# Allegro board Notecarrier-B PCB v12.brd
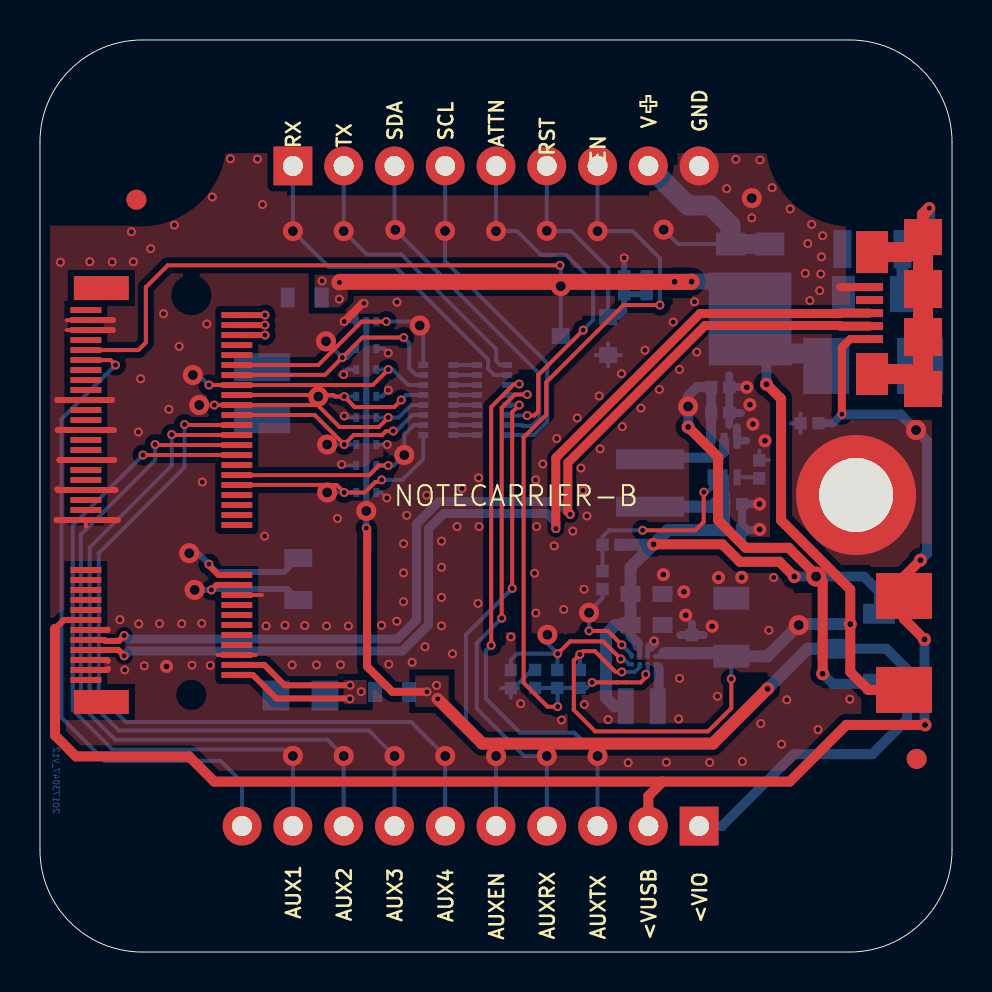
[diagram p0: board, top side]
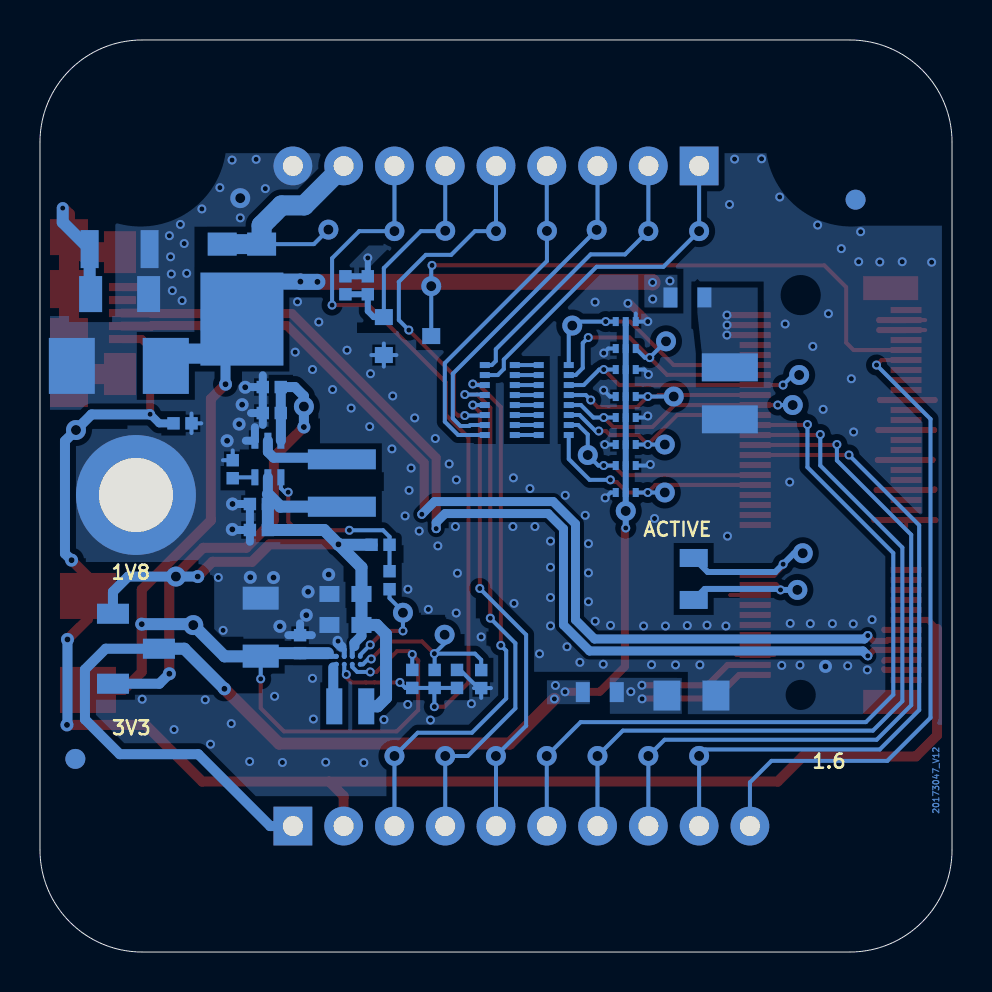
[diagram p1: board, bottom side, seen from below]

Outline 45.62 x 45.62 mm; copper layers: TOP, BOTTOM. Coordinates in mm from the lower left corner of the outline.
Outline path: 0,40.51 0,5.11 arc(1.5,1.5) 5.11,0 40.51,0 arc(44.12,1.5) 45.62,5.11 45.62,40.51 arc(44.12,44.12) 40.51,45.62 5.11,45.62 arc(1.5,44.12) 0,40.51

## Design rules (mm)
constraint set DEFAULT: pair gap 0.2
net group USB_CON_EXT_90: nets USB_DM USB_DP

## Placement (name value [footprint] x y rotation side)
C7  100n/16V  [CS-C-0402]  34.02 28.26 0 bottom
C8  10u/6.3V-X5R  [CS-C-0402]  34.02 26.96 0 bottom
C9  10u/6.3V-X5R  [CS-C-0402]  34.67 21.11 0 bottom
C10  100n/16V  [CS-C-0402]  34.67 22.41 0 bottom
C13  47u/16V-X5R  [CS-C-1206]  34.58 16.3 90 bottom
C14  4.7u/6.3V-X5R  [CS-C-0402]  32.61 15.4 90 bottom
C15  10u/10V-X5R  [CS-C-0603]  30.34 16.36 0 bottom
C16  10u/10V-X5R  [CS-C-0603]  30.34 17.91 0 bottom
C111  100n/16V  [CS-C-0402]  38.49 26.45 180 bottom
C112  10n/1kV  [CS-C-1206]  41.59 32.91 180 bottom
C113  NU  [CS-T-A]  13.03 12.83 180 bottom
C114  NU  [CS-T-B]  11.11 29.25 270 bottom
C115  100n/16V  [CS-C-0402]  29.22 33.35 90 bottom
C116  100n/16V  [CS-C-0402]  24.76 13.66 90 bottom
DS4  NU  [SOT563]  16.32 23.66 0 bottom
DS5  NU  [SOT563]  16.32 28.46 0 bottom
DS6  NU  [SOT563]  16.32 26.06 0 bottom
DS10  NU  [SOT563]  16.32 30.86 0 bottom
DS14  STPS3H100U  [SMB]  43.22 13.11 90 top
DS15  FSV1045V  [TO277-3]  35.52 32.66 0 bottom
F1  SF-0603F150-2  [FS-0603]  17.62 13 180 bottom
F2  3.5A/32V  [FS-0603]  13.24 32.74 180 bottom
FID1  TPS  [FIDUCIAL]  43.85 9.66 0 top
FID2  TPS  [FIDUCIAL]  4.82 37.63 0 top
FID3  TPS  [FIDUCIAL]  43.85 9.66 180 bottom
FID4  TPS  [FIDUCIAL]  4.82 37.63 180 bottom
J19  MICROUSB-B  [J-5-0065-FOS-MICROUSB10118192]  41.62 31.96 90 top
J20  MDT420E01001  [J-75-0050-MOS-M2-E]  7.57 22.86 90 top
J21  STRIP 9 PIN  [J-10-0254-MDT]  32.97 6.3 180 bottom
J22  STRIP 9 PIN  [J-9-0254-MDT]  12.65 39.32 0 bottom
L2  1285AS-H-2R2M=P2  [LS-0806]  30.1 12.29 180 bottom
L4  XFL4020-222MEC  [LS-XFL4020]  30.52 23.46 270 bottom
NOREF  -  []  30.4 15.06 90 top
NOREF#2  -  []  2.47 34.59 0 top
NOREF#3  -  []  11.11 26.65 90 top
NOREF#4  -  []  33.57 26.96 0 top
NOREF#5  -  []  43.22 13.11 90 top
NOREF#6  -  []  29.34 20.06 90 top
NOREF#7  -  []  34.22 22.41 0 top
NOREF#8  -  []  16.67 25.61 0 top
NOREF#9  -  []  19.17 29.36 0 top
NOREF#10  -  []  40.51 0 90 top
NOREF#11  -  []  28.13 18.15 90 top
NOREF#12  -  []  23.22 25.61 0 top
NOREF#13  -  []  38.18 27.92 90 top
NOREF#14  -  []  15.67 29.96 90 top
NOREF#15  -  []  40.59 5.03 0 top
NOREF#16  -  []  34 13.9 0 top
NOREF#17  -  []  34.58 14.8 90 top
NOREF#18  -  []  0 5.11 0 top
NOREF#19  -  []  19.32 25.61 90 top
NOREF#20  -  []  35.52 30.66 90 top
NOREF#21  -  []  1.3 1.71 0 top
NOREF#22  -  []  23.86 13.79 90 top
NOREF#23  -  []  -55.03 33.81 0 top
NOREF#24  -  []  29.54 17.91 0 top
NOREF#25  -  []  15.82 26.73 0 top
NOREF#26  -  []  40.12 31.41 90 top
NOREF#27  -  []  32.97 6.3 0 top
NOREF#28  -  []  40.32 17.12 0 top
NOREF#29  -  []  40.59 40.59 90 top
NOREF#30  -  []  -49.38 45.62 0 top
NOREF#31  -  []  30.52 22.27 90 top
NOREF#32  -  []  32.97 39.32 0 top
NOREF#33  -  []  15.67 27.56 90 top
NOREF#34  -  []  16.82 22.98 90 top
NOREF#35  -  []  14.42 17.96 90 top
NOREF#36  -  []  27.31 13.8 90 top
NOREF#37  -  []  30.64 16.76 0 top
NOREF#38  -  []  39.47 28.46 0 top
NOREF#39  -  []  12.92 17.61 90 top
NOREF#40  -  []  2.14 12.84 90 top
NOREF#41  -  []  23.37 28.86 90 top
NOREF#42  -  []  27 13.21 90 top
NOREF#43  -  []  24.76 13.21 90 top
NOREF#44  -  []  3.67 31.84 90 top
NOREF#45  -  []  2.29 13.61 0 top
NOREF#46  -  []  21.87 29.36 0 top
NOREF#47  -  []  34.16 28.57 0 top
NOREF#48  -  []  29.54 16.36 0 top
NOREF#49  -  []  35.98 23.7 90 top
NOREF#50  -  []  46.32 27.96 90 top
NOREF#51  -  []  26.05 30.81 0 top
NOREF#52  -  []  35.16 16.8 90 top
NOREF#53  -  []  15.82 31.54 0 top
NOREF#54  -  []  25.88 13.21 90 top
NOREF#55  -  []  30.43 6.3 0 top
NOREF#56  -  []  25.07 13.8 90 top
NOREF#57  -  []  7.57 12.86 90 top
NOREF#58  -  []  7.57 32.86 0 top
NOREF#59  -  []  39.33 29.32 0 top
NOREF#60  -  []  5.11 0 90 top
NOREF#61  -  []  16.82 25.39 90 top
NOREF#62  -  []  38.97 22.86 0 top
NOREF#63  -  []  28.72 20.68 0 top
NOREF#64  -  []  35.27 23.57 90 top
NOREF#65  -  []  2.14 31.39 0 top
NOREF#66  -  []  11.13 12.08 0 top
NOREF#67  -  []  33.81 34.84 0 top
NOREF#68  -  []  28.13 20.37 0 top
NOREF#69  -  []  25.6 30.41 90 top
NOREF#70  -  []  37.52 31.16 90 top
NOREF#71  -  []  33.81 34.84 90 top
NOREF#72  -  []  40.76 32.01 90 top
NOREF#73  -  []  40.59 40.59 0 top
NOREF#74  -  []  31.3 11.39 90 top
NOREF#75  -  []  10.41 28.05 0 top
NOREF#76  -  []  35.43 22.1 90 top
NOREF#77  -  []  40.82 22.86 0 top
NOREF#78  -  []  -109.91 -125.97 0 top
NOREF#79  -  []  22.02 25.61 90 top
NOREF#80  -  []  45.62 32.06 90 top
NOREF#81  -  []  2.29 13.61 90 top
NOREF#82  -  []  33.57 25.57 0 top
NOREF#83  -  []  18.82 12.5 90 top
NOREF#84  -  []  3.46 5.53 0 top
NOREF#85  -  []  0 40.51 0 top
NOREF#86  -  []  41.49 30.66 90 top
NOREF#87  -  []  15.67 22.76 90 top
NOREF#88  -  []  7.57 12.86 90 top
NOREF#89  -  []  41.37 28.46 0 top
NOREF#90  -  []  9.84 13.86 90 top
NOREF#91  -  []  25.57 13.52 0 top
NOREF#92  -  []  36.29 23.39 90 top
NOREF#93  -  []  12.04 32.24 0 top
NOREF#94  -  []  40.51 0 90 top
NOREF#95  -  []  36.92 28.46 90 top
NOREF#96  -  []  36.92 28.46 0 top
NOREF#97  -  []  42.07 14.51 0 top
NOREF#98  -  []  29.53 33.49 90 top
NOREF#99  -  []  0 40.51 0 top
NOREF#100  -  []  10.41 27.85 90 top
NOREF#101  -  []  42.72 32.76 0 top
NOREF#102  -  []  26.69 14.42 0 top
NOREF#103  -  []  23.55 13.2 90 top
NOREF#104  -  []  34.53 35.41 0 top
NOREF#105  -  []  15.67 25.16 90 top
NOREF#106  -  []  34.78 27.95 90 top
NOREF#107  -  []  29.6 14.79 0 top
NOREF#108  -  []  31.02 20.57 90 top
NOREF#109  -  []  16.67 28.01 0 top
NOREF#110  -  []  30.8 14.39 90 top
NOREF#111  -  []  30.02 20.57 0 top
NOREF#112  -  []  30.03 33.21 0 top
NOREF#113  -  []  3.07 12.51 90 top
NOREF#114  -  []  34.16 27.27 0 top
NOREF#115  -  []  34.81 21.42 0 top
NOREF#116  -  []  37.73 26.76 0 top
NOREF#117  -  []  40.51 0 90 top
NOREF#118  -  []  30.65 32.59 90 top
NOREF#119  -  []  2.14 12.84 90 top
NOREF#120  -  []  17.57 22.06 90 top
NOREF#121  -  []  29.94 39.32 0 top
NOREF#122  -  []  17.12 13.5 0 top
NOREF#123  -  []  13.52 19.36 0 top
NOREF#124  -  []  42.51 32.01 0 top
NOREF#125  -  []  28.42 29.86 90 top
NOREF#126  -  []  12.48 12.08 90 top
NOREF#127  -  []  34.47 25.4 0 top
NOREF#128  -  []  7.57 32.86 0 top
NOREF#129  -  []  38.18 30.72 0 top
NOREF#130  -  []  11.13 13.58 0 top
NOREF#131  -  []  34.78 26.65 90 top
NOREF#132  -  []  -2.43 22.31 90 top
NOREF#133  -  []  15.82 29.14 0 top
NOREF#134  -  []  9.84 18.36 90 top
NOREF#135  -  []  12.74 33.24 0 top
NOREF#136  -  []  41.97 13.42 90 top
NOREF#137  -  []  -50.93 0 0 top
NOREF#138  -  []  21.72 29.11 90 top
NOREF#139  -  []  9.84 13.86 90 top
NOREF#140  -  []  32.92 15.54 90 top
NOREF#141  -  []  16.67 30.41 0 top
NOREF#142  -  []  30.64 18.31 0 top
NOREF#143  -  []  34.81 22.72 0 top
NOREF#144  -  []  43.62 32.76 0 top
NOREF#145  -  []  29.22 32.9 90 top
NOREF#146  -  []  50.25 6.31 0 top
NOREF#147  -  []  30.34 32.9 90 top
NOREF#148  -  []  19.02 29.11 90 top
NOREF#149  -  []  39.69 36.11 0 top
NOREF#150  -  []  27.97 30.26 0 top
NOREF#151  -  []  33.57 23.75 90 top
NOREF#152  -  []  9.7 15.09 0 top
NOREF#153  -  []  24.45 14.42 0 top
NOREF#154  -  []  38.35 26.14 90 top
NOREF#155  -  []  28.9 11.39 0 top
NOREF#156  -  []  16.67 23.21 0 top
NOREF#157  -  []  29.04 17.51 90 top
NOREF#158  -  []  35.43 20.8 90 top
NOREF#159  -  []  30.5 13.19 0 top
NOREF#160  -  []  20.67 28.86 90 top
NOREF#161  -  []  32.3 16.16 0 top
NOREF#162  -  []  40.51 0 90 top
NOREF#163  -  []  -2.43 21.81 90 top
NOREF#164  -  []  -49.38 0 0 top
NOREF#165  -  []  -3.38 28.73 0 top
NOREF#166  -  []  15.82 24.34 0 top
NOREF#167  -  []  37.24 29.54 90 top
NOREF#168  -  []  20.67 28.86 90 top
NOREF#169  -  []  -55.03 11.91 0 top
NOREF#170  -  []  34.22 21.11 0 top
NOREF#171  -  []  19.32 25.61 90 top
NOREF#172  -  []  9.7 13.09 90 top
NOREF#173  -  []  16.82 30.18 90 top
NOREF#174  -  []  37.82 22.86 0 top
NOREF#175  -  []  38.04 26.45 0 top
NOREF#176  -  []  33.57 28.26 0 top
NOREF#177  -  []  16.42 12.5 0 top
NOREF#178  -  []  40.32 15.52 90 top
NOREF#179  -  []  5.03 40.59 0 top
NOREF#180  -  []  23.24 14.41 0 top
NOREF#181  -  []  2.29 28.11 90 top
NOREF#182  -  []  22.81 39.32 0 top
NOREF#183  -  []  37.24 29.54 0 top
NOREF#184  -  []  26.19 12.9 90 top
NOREF#185  -  []  36.92 28.46 0 top
NOREF#186  -  []  35.67 24.01 0 top
NOREF#187  -  []  20.52 25.61 0 top
NOREF#188  -  []  7.57 12.86 90 top
NOREF#189  -  []  42.07 11.71 90 top
NOREF#190  -  []  42.69 34.21 90 top
NOREF#191  -  []  5.03 40.59 90 top
NOREF#192  -  []  5.03 5.03 90 top
NOREF#193  -  []  32.97 6.3 90 top
NOREF#194  -  []  35.52 30.66 90 top
NOREF#195  -  []  16.82 27.79 90 top
NOREF#196  -  []  22.02 25.61 90 top
NOREF#197  -  []  3.36 40.59 0 top
NOREF#198  -  []  14.44 32.24 90 top
NOREF#199  -  []  32.61 14.95 90 top
NOREF#200  -  []  28.44 17.84 90 top
NOREF#201  -  []  40.82 22.86 90 top
NOREF#202  -  []  29.04 15.96 90 top
NOREF#203  -  []  42.47 14.22 90 top
NOREF#204  -  []  27.82 18.46 0 top
NOREF#205  -  []  40.19 32.91 0 top
NOREF#206  -  []  17.57 21.56 90 top
NOREF#207  -  []  40.14 35.16 0 top
NOREF#208  -  []  23.37 28.86 90 top
NOREF#209  -  []  28.91 34.11 0 top
NOREF#210  -  []  40.51 0 90 top
NOREF#211  -  []  44.17 35.76 90 top
NOREF#212  -  []  0 40.51 0 top
NOREF#213  -  [unnamed#2]  5.03 5.03 180 bottom
NOREF#214  -  [unnamed#2]  40.59 5.03 180 bottom
NOREF#215  -  [unnamed#2]  40.59 40.59 180 bottom
NOREF#216  -  [unnamed#2]  5.03 40.59 180 bottom
OBJ1  9774025151R  [DIST-WASMSIM0250]  40.82 22.86 0 top
Q2  AO3420  [SOT23]  28.42 31.76 0 bottom
R6  82k  [RS-0402]  35.98 24.15 270 bottom
R10  1k  [RS-0402]  27 13.66 90 bottom
R307  1M  [RS-1206]  41.64 35.16 180 bottom
R317  0R/5%/AS  [RS-0805]  12.92 18.66 90 bottom
R318  0R  [RS-0402]  28.58 20.37 0 bottom
R319  1k  [RS-0402]  30.34 33.35 270 bottom
R322  0R  [RS-0402]  23.55 13.65 90 bottom
R323  NU  [RS-0402]  25.88 13.66 270 bottom
R324  NU  [RS-0402]  28.13 18.6 270 bottom
RR1  100R/5%  [RR-8X-1506]  22.62 27.61 270 bottom
RR2  100R/5%  [RR-8X-1506]  19.92 27.61 270 bottom
SW1  CJS-1200TA  [SW-CJS1200TA]  40.82 15.17 270 bottom
TVS1  SM6T6V8A  [SMB]  39.33 29.32 0 bottom
U3  MAX17225ELT  [WDFN6-0200X0200]  34.22 24.66 270 bottom
U4  TPS62748YFPT  [XFBGA8]  30.2 14.59 270 bottom

## Library data of the parts
C7 C10 C115 C116 = CS-C-0402-100n/16V
C8 C9 = CS-C-0402-10u/6V3-X5R
C13 = CS-C-1206-47u/16V-X5R: room: DC-DC 1V8
C14 = CS-C-0402-4.7u/6V3-X5R: room: DC-DC 1V8
C15 C16 = CS-C-0603-10u/10V-X5R
C111 = CS-C-0402-100n/16V: room: USB BOOT
C112 = CS-C-1206-10n/1kV: room: USB BOOT
C113 = CS-T-A-100u/6.3V
C114 = CS-T-B-220u/6.3V
DS4-DS6 DS10 = DIODO4x - BAV99BRVA-7 -0.2A/75V: room: CONNETTORE HAT
DS14 = SCHOTTKY-STPS3H100U - 3A/100V
DS15 = SCHOTTKY - FSV1045V - 10A/45V
F1 = RAPIDO - SF-0603F150-2-1.5A/32V
F2 = RAPIDO - 0603SFV350F- 3.5A/32V
FID1-FID4 = FIDUCIAL
J19 = USB - MICROUSB-B-FCI10118192
J20 = AMPHENOL-75 - M-2 KEY E_13
J21 = STRIP-J-10-0254-MDT
J22 = STRIP-J-9-0254-MDT
L2 = L - 1285AS-H-2R2M=P2-2.2u/1.5A: room: DC-DC 1V8
L4 = PW-XFL4020-222ME - 2.2u/3.1A
OBJ1 = DISTANZIALE - M2.5x0250
Q2 = NMOS - AO3420 - 6A/20V
R6 = RS-0402-82k
R10 R319 = RS-0402-1k
R307 = RS-1206-1M: room: USB BOOT
R317 = RS-0805-0r/5%/AS
R318 R322 = RS-0402-0r
R323 R324 = RS-0402
RR1 RR2 = RR-8X-1506-100r/5%
SW1 = SW-SPDT - CJS-1200TA
TVS1 = TVS-UNI - SM6T6V8A - 6.8V/600W
U3 = BOOST -  MAX17225ELT - 0.5A/ADJ
U4 = BUCK - TPS62748YFPT - 0.3A/ADJ: room: DC-DC 1V8

## Footprints (pads in the part's own frame, mm; a bottom-side part is the same pattern mirrored in y, then rotated)
CS-C-0402
  rect 0.62x0.62 smd: 1(-0.45,0) 2(0.45,0)
CS-C-0603
  rect 1x0.8 smd: 1(-0.8,0) 2(0.8,0)
CS-C-1206
  rect 1.15x1.8 smd: 1(-1.5,0) 2(1.4,0)
CS-T-A
  rect 1.35x1.5 smd: 1(-1.225,0) 2(1.225,0)
CS-T-B
  rect 1.4x2.8 smd: 1(0,0) 2(2.6,0)
DIST-WASMSIM0250
  round 6 hole 3.7: 1(0,0)
FIDUCIAL
  round 1 smd: 1(0,0)
FS-0603
  rect 0.7x1 smd: 1(-0.85,0) 2(0.85,0)
J-5-0065-FOS-MICROUSB10118192
  rect 0.4x1.35 smd: 1(-1.3,0.125) 2(-0.65,0.125) 3(0,0.125) 4(0.65,0.125) 5(1.3,0.125)
  rect 2.1x1.6 smd: 6(-3.05,0) 7(3.05,0)
  rect 1.9x1.9 smd: 8(-1.2,-2.55) 9(1.2,-2.55)
  rect 1.8x1.9 smd: 10(-3.8,-2.55) 11(3.8,-2.55)
J-9-0254-MDT
  rect 1.94x1.94 hole 1: 1(0,0)
  round 1.94 hole 1: 2(2.54,0) 3(5.08,0) 4(7.62,0) 5(10.16,0) 6(12.7,0) 7(15.24,0) 8(17.78,0) 9(20.32,0)
J-10-0254-MDT
  rect 1.94x1.94 hole 1: 1(0,0)
  round 1.94 hole 1: 2(2.54,0) 3(5.08,0) 4(7.62,0) 5(10.16,0) 6(12.7,0) 7(15.24,0) 8(17.78,0) 9(20.32,0) 10(22.86,0)
J-75-0050-MOS-M2-E
  rect 1.2x2.75 smd: (-10.35,4.5) (10.35,4.5)
  round 0 hole 1.1 unplated: (-10,0)
  round 0 hole 1.6 unplated: (10,0)
  rect 0.3x1.55 smd: 1(-9.25,5.275) 2(-9,-2.275) 3(-8.75,5.275) 4(-8.5,-2.275) 5(-8.25,5.275) 6(-8,-2.275) 7(-7.75,5.275) 8(-7.5,-2.275) 9(-7.25,5.275) 10(-7,-2.275) 11(-6.75,5.275) 12(-6.5,-2.275) 13(-6.25,5.275) 14(-6,-2.275) 15(-5.75,5.275) 16(-5.5,-2.275) 17(-5.25,5.275) 18(-5,-2.275) 19(-4.75,5.275) 20(-4.5,-2.275) 21(-4.25,5.275) 22(-4,-2.275) 23(-3.75,5.275) 32(-1.5,-2.275) 33(-1.25,5.275) 34(-1,-2.275) 35(-0.75,5.275) 36(-0.5,-2.275) 37(-0.25,5.275) 38(0,-2.275) 39(0.25,5.275) 40(0.5,-2.275) 41(0.75,5.275) 42(1,-2.275) 43(1.25,5.275) 44(1.5,-2.275) 45(1.75,5.275) 46(2,-2.275) 47(2.25,5.275) 48(2.5,-2.275) 49(2.75,5.275) 50(3,-2.275) 51(3.25,5.275) 52(3.5,-2.275) 53(3.75,5.275) 54(4,-2.275) 55(4.25,5.275) 56(4.5,-2.275) 57(4.75,5.275) 58(5,-2.275) 59(5.25,5.275) 60(5.5,-2.275) 61(5.75,5.275) 62(6,-2.275) 63(6.25,5.275) 64(6.5,-2.275) 65(6.75,5.275) 66(7,-2.275) 67(7.25,5.275) 68(7.5,-2.275) 69(7.75,5.275) 70(8,-2.275) 71(8.25,5.275) 72(8.5,-2.275) 73(8.75,5.275) 74(9,-2.275) 75(9.25,5.275)
LS-0806
  rect 0.8x1.8 smd: 1(-0.8,0) 2(0.8,0)
LS-XFL4020
  rect 1x3.4 smd: 1(-1.185,0) 2(1.185,0)
RR-8X-1506
  rect 0.3x0.5 smd: 1(-1.75,-0.75) 2(-1.25,-0.75) 3(-0.75,-0.75) 4(-0.25,-0.75) 5(0.25,-0.75) 6(0.75,-0.75) 7(1.25,-0.75) 8(1.75,-0.75) 9(1.75,0.75) 10(1.25,0.75) 11(0.75,0.75) 12(0.25,0.75) 13(-0.25,0.75) 14(-0.75,0.75) 15(-1.25,0.75) 16(-1.75,0.75)
RS-0402
  rect 0.62x0.62 smd: 1(-0.45,0) 2(0.45,0)
RS-0805
  rect 0.9x1.4 smd: 1(-1.05,0) 2(1.05,0)
RS-1206
  rect 0.9x1.9 smd: 1(-1.5,0) 2(1.5,0)
SMB
  rect 2.3x2.8 smd: 1(0,0) 2(4.7,0)
SOT23
  rect 0.9x0.8 smd: 1(0,0) 2(0,1.9) 3(-2.37,0.95)
SOT563
  rect 0.3x0.45 smd: 1(-0.5,-0.675) 2(0,-0.675) 3(0.5,-0.675) 4(0.5,0.675) 5(0,0.675) 6(-0.5,0.675)
SW-CJS1200TA
  rect 1x1.6 smd: 1(-1.75,-1.15) 2(0,1.15) 3(1.75,-1.15)
TO277-3
  rect 1.45x1.15 smd: 1(0.985,-2.75) 2(-0.985,-2.75)
  rect 4.15x4.65 smd: 3(0,1)
unnamed#2
  round 0 hole 3.3 unplated: (0,0)
WDFN6-0200X0200
  rect 0.8x0.35 smd: 1(-0.915,0.65) 2(-0.915,0) 3(-0.915,-0.65) 4(0.915,-0.65) 5(0.915,0) 6(0.915,0.65)
XFBGA8
  round 0.25 smd: A1(0.2,-0.6) A2(-0.2,-0.6) B1(0.2,-0.2) B2(-0.2,-0.2) C1(0.2,0.2) C2(-0.2,0.2) D1(0.2,0.6) D2(-0.2,0.6)

## Nets
+1V8: C9.1 C10.1 C15.1 C16.1 L2.2 L4.2 R318.2 SW1.1 U3.5 U4.C2
+3V3: C7.1 C8.1 SW1.3 U3.1
GND: C7.2 C8.2 C9.2 C10.2 C13.2 C14.2 C15.2 C16.2 C111.2 C112.2 C113.2 C114.2 C115.2 C116.2 DS4.1 DS4.4 DS5.1 DS5.4 DS6.1 DS6.4 DS10.1 DS10.4 J19.5 J20.3 J20.5 J20.6 J20.11 J20.18 J20.33 J20.39 J20.45 J20.51 J20.57 J20.71 J20.73 J22.9 OBJ1.1 Q2.2(S) R6.1 R307.2 R319.1 R322.1 TVS1.2 U3.3 U4.B2
ATTN: J22.5 RR1.6
ATTN_P: DS6.6 J20.54 RR2.11
AUX1: J20.46 J21.9
AUX2: J20.48 J21.8
AUX3: J20.50 J21.7
AUX4: J20.52 J21.6
AUX_EN: J21.5 RR1.5
AUX_EN_P: DS6.3 J20.56 RR2.12
AUX_RX: J21.4 RR1.4
AUX_RX_P: DS5.6 J20.58 RR2.13
AUX_TX: J21.3 RR1.3
AUX_TX_P: DS5.3 J20.60 RR2.14
BOOST_EN: R324.2 U4.D2
BOOT: J20.65 J21.10
EN: C116.1 J22.7 R10.1 R323.2 U4.B1
NRST: J20.67 Q2.3
RST: C115.1 J22.6 Q2.1 R319.2
RX: J22.1 RR1.2
RX_P: DS10.6 J20.62 RR2.15
SCL: J22.4 RR1.8
SCL_P: DS4.6 J20.40 RR2.9
SDA: J22.3 RR1.7
SDA_P: DS4.3 J20.42 RR2.10
TX: J22.2 RR1.1
TX_P: DS10.3 J20.64 RR2.16
USB_DM: J19.2 J20.9
USB_DP: J19.3 J20.7
USB_SHIELD: C112.1 J19.6 J19.7 J19.8 J19.9 J19.10 J19.11 R307.1
V+: DS15.1 DS15.2 J22.8
VACT_GPS_OUT: J20.20 R317.1
VIO: DS4.2 DS4.5(C2) DS5.2 DS5.5(C2) DS6.2 DS6.5(C2) DS10.2 DS10.5(C2) F1.1 J21.1 SW1.2
VIO_P: C113.1 F1.2 J20.2 J20.4
VMODEM: C13.1 C14.1 DS14.1(C) DS15.3(C) F2.1 R10.2 TVS1.1(C) U4.A2 U4.C1(VSEL)
VMODEM_P: C114.1 F2.2 J20.70 J20.72 J20.74
VUSB: C111.1 DS14.2 J19.1(VCC) J20.13(VUSB) J21.2
N16831233: L4.1 U3.2
N16831267: R318.1 R324.1 U3.6
N16831291: R6.2 U3.4(SEL)
N16853996: L2.1(C) U4.A1
N16854042: R322.2 R323.1 U4.D1
N16931653: RR1.16 RR2.1
N16931655: RR1.15 RR2.2
N16931657: RR1.14 RR2.3
N16931659: RR1.13 RR2.4
N16931661: RR1.12 RR2.5
N16931663: RR1.11 RR2.6
N16931665: RR1.10 RR2.7
N16931667: RR1.9 RR2.8
N16944507: J20.22 R317.2

Pads without a net: FID1 1; FID2 1; FID3 1; FID4 1; J19 4; J20 1 8 10 12 14 15 16 17 19 21 23 32 34 35 36 37 38 41 43 44 47 49 53 55 59 61 63 66 68 69 75

## Via types
v1: diameter 0.45, hole 0.254, TOP to BOTTOM, 189 vias
v2: diameter 1, hole 0.5, TOP to BOTTOM, 34 vias
v3: diameter 0.65, hole 0.3, TOP to BOTTOM, 25 vias

## Routing (per net, layer and track width the routed paths; a pad name or vN(x,y) marks a point on that pad's centre or on a via; arc(x,y) is an arc through that point)
+1V8: length 37.5
  TOP w0.5: v3(37.73,18.78) 36.99,19.52 35.01,19.52 34.14,20.39 v3(30.69,20.39)
  BOTTOM w0.25: 29.89,15.3 30,15.19 U4.C2
  BOTTOM w0.5: C10.1 U3.5 ; SW1.1 41.97,18.02 41.21,18.78 v2(38.82,18.78) v3(37.73,18.78) ; C15.1 29.54,15.81 29.89,15.46 29.89,15.3
  BOTTOM w0.6: 34.22,22.9 33.59,22.27 L4.2 ; 30.67,20.37 29.54,19.24 C16.1 C15.1 28.77,16.36 28.31,15.9 28.31,12.71 28.73,12.29 L2.2 ; 30.67,20.37 v3(30.69,20.39) 31.41,21.11 C9.1 C10.1 ; 30.67,20.37 R318.2
+3V3: length 25
  TOP w0.5: v3(39.15,13.92) 39.15,18.52 37.45,20.22 35.3,20.22 33.92,21.6 33.92,24.76 v3(32.42,26.26)
  BOTTOM w0.5: U3.1 33.57,26.95 C8.1 C7.1 32.87,28.26 32.42,27.81 v2(32.42,27.29) v3(32.42,26.26) ; v3(39.15,13.92) 39.65,13.42 SW1.3
GND: length 55.1
  TOP w0.2: J20.18 11.09,17.86 11.09,17.86 ; 1.34,31.61 J20.73 ; 2.29,21.28 J20.33 ; 8.89,14.86 J20.6 10.8,14.86 ; 1.34,31.11 J20.71
  TOP w0.3: 3.39,16.12 3.37,16.11 J20.11 ; J20.3 3.36,14.11 3.4,14.15 ; 3.77,23.11 3.77,23.11 J20.39 0.91,23.11 0.87,23.15 ; 0.83,21.6 0.84,21.61 J20.33 3.89,21.61 3.89,21.61 ; 3.69,26.11 3.68,26.11 J20.51 0.9,26.11 0.89,26.11 ; 3.6,27.62 3.59,27.61 J20.57 0.87,27.61 0.87,27.62 ; 3.39,14.56 3.34,14.61 J20.5 ; 3.64,31.61 3.64,31.61 J20.73 ; 3.64,31.11 J20.71 ; 0.97,24.62 0.98,24.61 J20.45 3.71,24.61 3.71,24.61
  TOP w0.4: 15.6,31.92 v1(15.22,31.54) ; 15.61,31.93 16.13,32.45 v1(16.21,32.45) ; J19.5 40.02,33.26
  BOTTOM w0.2: 36.47,24.6 R6.1 35.98,25.09 ; DS10.4 17.19,30.18 v1(17.42,29.96) ; DS5.1 15.39,29.14 15.22,28.96 15.22,28.92 v1(15.19,28.89) ; R322.1 23.7,13.2 ; R322.1 23.55,12.71 ; R322.1 23.06,13.2 ; 23.7,13.2 23.91,13.2 ; 23.7,13.2 24.6,14.11 C116.2 ; v1(17.35,22.71) 17.08,22.98 DS4.4 ; v1(15.22,26.81) 15.29,26.73 DS6.1 ; v1(15.22,31.54) DS10.1 15.82,31.94 ; v1(17.42,28.1) 17.11,27.79 DS5.4 ; 38.04,25.96 C111.2 ; C111.2 38.04,26.93 ; C111.2 37.55,26.45 ; DS4.1 15.14,24.34 v1(15.09,24.39) ; 28.42,29.28 Q2.2 ; Q2.2 28.42,30.44 ; Q2.2 27.79,29.86 ; Q2.2 29.05,29.86 ; v1(17.37,25.39) DS6.4
  BOTTOM w0.25: U4.B2 30.4,15.13 30.54,15.27
  BOTTOM w0.3: R319.1 C115.2 v1(29.22,34.72) 29.21,34.73
  BOTTOM w0.4: C14.2 32.02,15.85 ; C14.2 32.61,16.44 ; C14.2 33.2,15.85 ; v3(36,21.14) 35.97,21.11 C9.2 ; 35.32,25.57 U3.3 34.87,26.25 ; 34.47,28.26 35.06,28.26 ; 34.47,28.26 34.47,26.96 ; 34.47,28.26 34.47,28.85 ; 34.47,26.96 34.47,26.37 ; 34.47,26.96 35.06,26.96 ; C9.2 35.12,20.52 ; C9.2 C10.2 v3(35.99,22.41)
  BOTTOM w0.5: 30.54,15.27 30.73,15.46 30.73,15.57
  vias: v1(1.02,34.5) v1(2.49,34.53) v1(3.61,34.52) v1(4,16.63) v1(4.24,14.11) v1(4.57,36.03) v1(4.67,34.53) v1(4.92,26.01) v1(4.94,16.41) v1(5.04,28.68) v1(5.22,14.31) v1(5.54,35.18) v1(5.98,16.42) v1(6.18,31.93) v1(6.45,27.15) v1(6.72,36.36) v1(6.96,30.29) v1(7.09,16.42) v1(7.6,14.35) v1(8.12,23.51) v1(8.09,16.44) v1(8.35,31.41) v1(8.52,14.34) v1(8.62,37.77) v1(9.53,39.68) v1(10.88,39.66) v1(11.13,37.39) v1(11.23,20.8) v1(11.31,16.31) v1(12.26,16.35) v1(12.61,14.36) v1(13.24,16.33) v1(13.83,14.36) v1(14.33,16.31) v1(14.88,21.69) v1(15.03,14.37) v1(15.43,16.31) v1(17.08,16.34) v1(17.45,14.4) v1(17.86,32.51) v1(17.85,16.55) v1(18.18,20.43) v1(18.18,18.97) v1(18.18,17.52) v1(18.35,21.84) v1(18.61,14.49) v1(19.26,15.27) v1(19.35,22.85) v1(20.08,20.55) v1(20.08,19.24) v1(20.08,17.73) v1(20.08,16.31) v1(20.63,14.92) v1(20.86,21.28) v1(21.11,23.18) v1(21.94,23.72) v1(21.97,21.28) v1(21.91,17.44) v1(23.55,15.76) v1(24.04,12.42) v1(24.74,18.95) v1(24.79,23.62) v1(24.84,21.28) v1(24.8,16.96) v1(25.15,24.41) v1(25.72,20.31) v1(25.85,25.69) v1(26.09,11.6) v1(26.19,17.14) v1(26.65,21.06) v1(26.88,26.71) v1(27.06,24.21) v1(27.16,23.09) v1(27.22,18.15) v1(27.22,12.38) v1(27.36,21.81) v1(27.98,27.81) v1(28.02,25.17) v1(28.42,11.62) v1(29.09,28.93) v1(29.13,26.28) v1(29.42,9.47) v1(30.06,27.21) v1(30.26,30.1) v1(30.71,15.55) v1(30.98,28.14) v1(31.33,9.49) v1(31.67,31.51) v1(31.94,11.65) v1(31.99,29.14) v1(31.99,13.69) v1(32.74,32.52) v1(32.85,30.01) v1(33.49,9.48) v1(33.88,12.79) v1(34.35,38.19) v1(34.81,39.65) v1(35.13,9.53) v1(35.6,36.72) v1(36.01,39.62) v1(36.05,11.43) v1(36.46,16.09) v1(36.62,38.23) v1(36.7,18.73) v1(37.09,10.4) v1(37.36,12.62) v1(37.52,37.17) v1(38.28,33.95) v1(38.41,35.44) v1(38.51,32.59) v1(38.6,36.39) v1(38.91,11.13) v1(39.05,33.91) v1(39,33.08) v1(39.15,35.83) v1(39.09,34.78) v1(40.51,12.65) v2(35.6,37.71) v3(6.33,14.29) v3(31.18,18.88) v3(32.21,18.02) v3(32.3,16.85) v3(33.62,16.29) v3(33.94,18.73) v3(35.1,18.75) v3(35.35,28.25) v3(35.51,27.38) v3(35.66,26.41) v3(36.26,25.57)
ATTN: length 18.4
  TOP w0.2: v1(27.17,31.11) 24.92,28.86 24.92,27.04 24.72,26.84 v1(24.37,26.84)
  BOTTOM w0.2: RR1.6 23.39,26.84 v1(24.37,26.84) ; J22.5 v2(22.81,36.06) 23.86,36.06 25.05,34.87 26.32,34.87 27.67,33.52 27.67,31.61 v1(27.17,31.11)
ATTN_P: length 12
  TOP w0.2: J20.54 9.89,26.86 9.89,26.86 13.74,26.86 v1(15.22,25.39) 15.69,25.86 17.11,25.86 17.31,26.06 v1(17.67,26.06)
  BOTTOM w0.2: DS6.6 v1(15.22,25.39) v2(14.37,25.39) ; RR2.11 18.63,26.86 17.83,26.06 v1(17.67,26.06)
AUX1: length 34.4
  TOP w0.2: J20.46 v1(5.15,24.86)
  BOTTOM w0.2: J21.9 v2(12.65,9.81) 12.33,10.13 3.61,10.13 1.64,12.1 1.64,21.35 v1(5.15,24.86)
AUX2: length 36.4
  TOP w0.2: J20.48 5.78,25.36 v1(5.76,25.39)
  BOTTOM w0.2: v1(5.76,25.39) 5.76,24.59 2.04,20.87 2.04,12.35 3.77,10.62 14.38,10.62 v2(15.19,9.81) J21.8
AUX3: length 38.2
  TOP w0.2: v1(6.59,25.89) 6.61,25.86 J20.50
  BOTTOM w0.2: v1(6.59,25.89) 6.59,24.34 2.48,20.23 2.48,12.54 3.96,11.07 16.47,11.07 v2(17.73,9.81) 17.73,6.3 J21.7
AUX4: length 40
  TOP w0.2: J20.52 7.26,26.36 v1(7.23,26.39)
  BOTTOM w0.2: v1(7.23,26.39) 7.23,24.25 2.94,19.96 2.94,12.87 4.31,11.5 18.58,11.5 v2(20.27,9.81) J21.6
AUX_EN: length 23.4
  TOP w0.2: v1(23.97,27.36) 23.62,27.01 v1(23.62,18.19)
  BOTTOM w0.2: RR1.5 v1(23.97,27.36) ; J21.5 22.81,9.8 v2(22.81,9.81) 21.3,11.32 21.3,15.87 v1(23.62,18.19)
AUX_EN_P: length 12.7
  TOP w0.2: v1(17.42,26.73) 16.95,26.26 14.99,26.26 13.89,27.36 J20.56 v1(8.72,27.36)
  BOTTOM w0.2: DS6.3 v1(17.42,26.73) 17.94,26.73 18.56,27.36 RR2.12 ; v1(8.72,27.36) v2(7.97,27.36)
AUX_RX: length 26.1
  TOP w0.2: v1(24.37,27.89) 23.75,27.89 23.09,27.23 v1(23.09,16.7)
  BOTTOM w0.2: RR1.4 23.39,27.89 v1(24.37,27.89) ; J21.4 v2(25.35,9.81) 24.22,9.81 21.84,12.19 21.84,15.44 v1(23.09,16.7)
AUX_RX_P: length 11.7
  TOP w0.2: J20.58 9.86,27.86 9.86,27.86 14.69,27.86 14.77,27.79 v1(15.22,27.79) 15.74,27.26 17.72,27.26 v1(18.07,27.61)
  BOTTOM w0.2: DS5.6 v1(15.22,27.79) v2(13.92,27.79) ; v1(18.07,27.61) 18.32,27.86 RR2.13
AUX_TX: length 27.5
  TOP w0.2: v1(22.57,15.34) 22.57,27.27 23.71,28.41 v1(23.97,28.41)
  BOTTOM w0.2: RR1.3 23.92,28.36 23.97,28.41 v1(23.97,28.41) ; J21.3 v2(27.89,9.81) 26.73,10.97 24.01,10.97 22.3,12.68 22.3,15.07 v1(22.57,15.34)
AUX_TX_P: length 13
  TOP w0.2: v1(8.45,28.36) J20.60 16.65,28.36 v1(17.42,29.14)
  BOTTOM w0.2: DS5.3 v1(17.42,29.14) 17.64,29.14 18.42,28.36 RR2.14 ; v2(7.65,28.86) 7.95,28.86 v1(8.45,28.36)
BOOST_EN: length 5.1
  TOP w0.2: v1(29.1,15.36) 28.4,16.06 v1(27.46,16.06)
  BOTTOM w0.2: v1(29.1,15.36) 29.6,14.87 U4.D2 ; v1(27.46,16.06) v2(27.46,16.97) 27.46,17.03 28.13,17.7 R324.2
BOOT: length 32.9
  TOP w0.2: J20.65 3.53,29.61 v1(3.78,29.36)
  BOTTOM w0.2: v1(3.78,29.36) 1.08,26.66 1.08,11.72 3.24,9.56 9.03,9.56 10.11,8.48 10.11,6.3 J21.10
EN: length 41.7
  TOP w0.2: v1(31.01,32.36) 29.18,32.36 25.32,28.5 25.32,26.87 24.19,25.74 24.19,13.47 25.39,12.27 v1(25.89,12.27) ; v1(30.3,13.88) 30.29,13.87 30.29,13.73 30.05,13.49 29.32,13.49 29.32,13.48 28.88,13.48 28.88,13.49 v1(27.62,13.49)
  BOTTOM w0.2: R323.2 25.89,13.2 v1(25.89,12.27) ; R323.2 C116.1 ; R323.2 R10.1 27.34,13.21 v1(27.62,13.49) ; v1(30.3,13.88) 30.3,13.91 30.4,14.01 U4.B1 ; J22.7 v2(27.89,36.06) 29.65,36.06 31.01,34.7 v1(31.01,32.36)
NRST: length 30.6
  TOP w0.2: v1(26.01,34.35) 6.39,34.35 5.29,33.25 5.29,30.48 4.92,30.11 J20.67
  BOTTOM w0.2: Q2.3 v2(26.05,33.31) 26.05,34.31 v1(26.01,34.35)
RST: length 12.4
  BOTTOM w0.2: J22.6 v2(25.35,36.08) 25.37,36.06 26.57,36.06 28.42,34.21 Q2.1
  BOTTOM w0.3: Q2.1 28.93,31.76 29.22,32.05 C115.1 R319.2
RX: length 17.2
  BOTTOM w0.2: J22.1 v2(12.65,36.06) 14.44,34.27 17.78,34.27 22.42,29.63 22.42,29.16 22.72,28.86 RR1.2
RX_P: length 13.8
  TOP w0.2: J20.62 9.8,28.86 9.79,28.87 14.26,28.87 v1(15.12,29.73) 16.12,30.73 v1(18.19,30.73)
  BOTTOM w0.2: v1(18.19,30.73) 18.47,30.46 18.47,29.21 18.82,28.86 RR2.15 ; DS10.6 15.37,29.73 v1(15.12,29.73) v2(14.31,30.55)
SCL: length 17.2
  BOTTOM w0.2: J22.4 20.27,36.08 v2(20.26,36.07) 20.26,34.56 25.37,29.45 25.37,26.53 24.7,25.86 RR1.8
SCL_P: length 12.8
  TOP w0.2: v1(17.09,23.62) 16.98,23.51 16.77,23.51 16.24,22.98 v1(15.22,22.98) 14.84,23.36 9.88,23.36 9.87,23.36 J20.40
  BOTTOM w0.2: v2(14.37,22.98) v1(15.22,22.98) DS4.6 ; RR2.9 19.17,24.66 18.13,23.62 v1(17.09,23.62)
SDA: length 17.4
  BOTTOM w0.2: J22.3 17.73,36.17 v2(17.77,36.12) 24.97,28.93 24.97,26.69 24.59,26.31 24.15,26.31 24.1,26.36 RR1.7
SDA_P: length 11.7
  TOP w0.2: J20.42 9.8,23.86 9.79,23.85 16.46,23.85 16.94,24.34 v1(17.42,24.34)
  BOTTOM w0.2: DS4.3 v1(17.42,24.34) 17.69,24.34 v2(18.22,24.86) 18.22,25.89 18.69,26.36 RR2.10
TX: length 14.6
  BOTTOM w0.2: RR1.1 23.02,29.36 22.82,29.56 22.82,30.15 18.08,34.89 16.36,34.89 v2(15.19,36.06) J22.2
TX_P: length 12.7
  TOP w0.2: 9.82,29.36 J20.64 13.92,29.36 16.1,31.54 v1(17.32,31.54)
  BOTTOM w0.2: RR2.16 19.17,31.16 v2(18.99,31.34) 18.79,31.54 v1(17.32,31.54) DS10.3
USB_DM: length 50.9
  TOP w0.3: v1(4.21,15.83) 3.94,15.56 3.53,15.56 3.27,15.56 3.21,15.61 J20.9
  TOP w0.45: v1(26.52,21.9) 26.4,22.01 26.4,24.47 33.26,31.34 40.02,31.34 40.04,31.31 J19.2
  BOTTOM w0.45: v1(26.52,21.9) 25.88,22.53 19.95,22.53 18.83,21.42 18.83,16.61 17.88,15.66 4.38,15.66 v1(4.21,15.83)
USB_DP: length 52.1
  TOP w0.3: v1(4.21,14.82) 3.92,15.11 J20.7
  TOP w0.45: v1(25.8,21.18) 25.8,24.72 33.02,31.93 40.02,31.93 40.04,31.96 J19.3
  BOTTOM w0.45: v1(25.8,21.18) 25.8,21.48 25.35,21.93 20.2,21.93 19.43,21.17 19.43,16.36 18.13,15.06 4.45,15.06 v1(4.21,14.82)
USB_SHIELD: length 19.8
  TOP w0.6: v1(44.48,37.21) 44.17,36.9 J19.11
  TOP w1: J19.7 43.42,35.01 J19.11 J19.9 J19.8 J19.10 43.42,28.91 J19.6
  BOTTOM w0.6: C112.1 43.14,32.96 R307.1 44.48,36.51 v1(44.48,37.21)
V+: length 11.9
  BOTTOM w0.2: DS15.2 31.92,35.41 v2(31.19,36.13)
  BOTTOM w1: J22.8 32.4,37.35 33.53,37.35 34.53,36.35 DS15.2 DS15.1
VACT_GPS_OUT: length 6.8
  TOP w0.3: v1(8.58,18.11) 8.83,18.36 J20.20
  BOTTOM w0.3: R317.1 12.37,18.16 8.63,18.16 v1(8.58,18.11) v2(7.73,18.11)
VIO: length 62.7
  TOP w0.4: v1(19.36,13.02) 17.62,13.02 16.36,14.28 16.37,21.16 v1(16.32,21.21) ; v1(19.84,13.33) 19.82,13.33
  TOP w0.6: v3(36.39,13.16) 33.66,10.43 22.12,10.43 v1(19.89,12.66)
  BOTTOM w0.3: DS10.2 DS10.5 DS5.2 DS5.5 DS6.2 DS6.5 DS4.2 DS4.5 v2(16.32,22.06) v1(16.32,21.21)
  BOTTOM w0.5: J21.1 34.11,6.3 37.7,9.89 41.63,9.89 43.37,11.64 43.37,14.13 42.33,15.17 SW1.2
  BOTTOM w0.6: v3(36.39,13.16) 38.4,15.17 SW1.2
VIO_P: length 12.2
  TOP w0.3: J20.4 11.22,14.36 12.24,13.34 v1(15.51,13.34) ; J20.2 10.65,13.86 11.83,12.68 15.49,12.68
  vias: v1(15.5,12.66) v1(16.07,13.02)
VMODEM: length 77.9
  TOP w0.2: v1(34.58,13.66) 34.58,12.2 33.42,11.03 27.78,11.03 26.7,12.11 26.7,14.59 v1(27,14.89) 27.16,15.05 27.76,15.05 28.8,14.01 v1(29.1,14.01)
  TOP w0.5: DS14.1 41.43,13.11 40.53,14.01 v3(40.53,16.4) 40.53,18.13 37.07,21.59 37.07,27.67 v3(36.34,28.4)
  TOP w0.8: v1(14.98,33.49) 15.01,33.52 v3(31.74,33.52) 32.58,33.52 v3(32.59,33.53)
  BOTTOM w0.2: v1(34.58,13.66) C13.1 ; U4.C1 30,14.26 29.75,14.01 v1(29.1,14.01) ; R10.2 v1(27,14.89)
  BOTTOM w0.25: 31.22,14.95 31.06,14.79 U4.A2
  BOTTOM w0.5: v3(36.34,28.4) 36.34,30.84
  BOTTOM w0.6: v3(40.53,16.4) 38,16.4 v2(37.95,16.35) 36.39,14.79 34.59,14.79 C13.1 34.43,14.95 C14.1 31.22,14.95
  BOTTOM w0.8: v3(31.74,33.52) 32.58,33.52 v3(32.59,33.53) 33.65,33.53 DS15.3
  BOTTOM w1: DS15.3 37.25,29.93 38.45,29.93 39.06,29.32 TVS1.1
  vias: v1(14.11,33.57) v1(14.97,32.66)
VMODEM_P: length 4.2
  TOP w0.3: J20.74 v1(11.26,31.86) ; J20.70 v1(11.26,30.86) ; J20.72 v1(11.25,31.36)
VUSB: length 81.4
  TOP w0.3: J20.13 1.19,16.61 0.75,16.17
  TOP w0.4: J19.1 40.53,30.66 40.11,30.24 v1(40.11,26.9)
  TOP w0.5: 31.15,8.53 37.5,8.53 40.34,11.36 v3(44.27,11.36) ; 31.15,8.53 8.72,8.53 7.46,9.79 1.8,9.79 0.75,10.83 0.75,16.17 ; 31.15,8.53 30.43,7.8 J21.2 ; v3(44.24,15.63) 43.22,16.66 DS14.2 43.22,18.78 v3(44.04,19.6)
  BOTTOM w0.4: C111.1 39.66,26.45 v1(40.11,26.9)
  BOTTOM w0.5: v3(44.27,11.36) 44.24,11.38 v3(44.24,15.63) ; v3(44.04,19.6) 44.37,19.93 44.37,25.56 v2(43.82,26.11) 43.04,26.89 40.14,26.89 40.13,26.9 v1(40.11,26.9)
N16831233: length 4.4
  BOTTOM w0.5: L4.1 30.62,24.64 30.7,24.73 33.93,24.73 34.22,25.01 U3.2
N16831267: length 9.6
  TOP w0.2: v1(30.14,21.1) 32.78,21.1 33.2,21.51 33.2,22.99 v1(33.2,23)
  BOTTOM w0.2: U3.6 33.57,23.19 33.37,22.99 33.21,22.99 v1(33.2,23) ; R324.1 R318.1 28.13,20.77 28.46,21.1 v1(30.14,21.1)
N16831291: length 1.1
  BOTTOM w0.2: R6.2 35.93,23.75 U3.4
N16853996: length 2.2
  BOTTOM w0.25: 30.95,14.24 U4.A1
  BOTTOM w0.5: 30.95,14.24 30.95,12.34 L2.1
N16854042: length 9.4
  TOP w0.2: v1(25.89,14.92) 26.51,15.54 28.17,15.54 v1(29.05,14.66)
  BOTTOM w0.2: v1(25.89,14.92) 25.38,15.44 v2(25.38,15.87) ; v1(25.89,14.92) 25.88,14.91 R323.1 ; v1(25.89,14.92) 23.86,14.92 23.55,14.61 R322.2 ; U4.D1 29.47,14.39 29.2,14.66 v1(29.05,14.66)
N16931653: length 1.2
  BOTTOM w0.2: RR2.1 RR1.16
N16931655: length 1.2
  BOTTOM w0.2: RR2.2 RR1.15
N16931657: length 1.2
  BOTTOM w0.2: RR2.3 RR1.14
N16931659: length 1.2
  BOTTOM w0.2: RR2.4 RR1.13
N16931661: length 1.2
  BOTTOM w0.2: RR2.5 RR1.12
N16931663: length 1.2
  BOTTOM w0.2: RR2.6 RR1.11
N16931665: length 1.2
  BOTTOM w0.2: RR2.7 RR1.10
N16931667: length 1.2
  BOTTOM w0.2: RR2.8 RR1.9
N16944507: length 7.8
  TOP w0.3: v1(8.45,19.4) 8.45,19.34 8.92,18.86 J20.22
  BOTTOM w0.3: v2(7.47,19.95) 7.9,19.95 v1(8.45,19.4) 8.84,19.01 12.22,19.01 R317.2

## Copper pours and planes (outline as drawn; the poured copper is in the pictures)
GND on TOP: 41.74,39.96 41.74,27.59 40.04,27.59 40.04,26.62 44.62,26.62 44.62,20.42 44.02,20.42 44.02,19.62 44.02,19.62 44.02,19.5 44.62,19.5 44.62,16.92 41.8,16.92 41.8,19.26 41.53,19.26 41.53,19.36 39.53,19.36 39.53,18.36 39.93,18.36 39.93,18.27 39.35,18.27 39.35,13.63 39.09,13.63 39.09,13.19 40.75,13.19 40.75,13.63 40.45,13.63 40.45,16.03 40.75,16.03 40.75,13.68 44.62,13.68 44.62,11.06 43.65,11.06 43.65,11.79 42.95,11.79 42.95,11.06 42.29,11.06 42.29,12.13 43.5,12.13 43.5,12.37 42.29,12.37 42.29,12.97 41.58,12.97 41.58,13.09 41.1,13.09 41.1,12.97 41.09,12.97 41.09,11.06 39.7,11.06 39.7,8.46 11.17,8.46 9.33,8.47 0.51,9.3 0.51,36.34 4.32,36.34 4.32,39.96 30.46,39.96 30.46,39.36 31.89,39.36 31.89,39.96 36.97,39.96 ; 28 cut-outs
GND on BOTTOM: 41.74,39.96 44.62,39.96 44.62,39.11 44.06,39.11 44.06,31.81 45.12,31.81 45.12,27.12 41.06,27.12 41.06,27.02 41.25,27.02 41.25,26.17 44.06,26.17 44.06,25.93 44.62,25.93 44.62,19.7 43.33,19.7 43.33,19.45 43.32,19.45 43.32,19.51 38.75,19.51 38.75,19.6 37.69,19.6 37.69,19.11 38.75,19.11 38.75,19.14 39.01,19.14 39.01,18.46 40.61,18.46 40.61,18.33 37.77,18.33 37.77,18.69 37.42,18.69 37.42,18.79 37.32,18.79 37.32,18.85 37,18.85 37,18.79 36.91,18.79 36.91,16.06 37.01,16.06 37.01,16.03 37.77,16.03 37.77,16.35 40.61,16.35 40.61,15.95 40.73,15.95 40.73,15.16 40.61,15.08 40.47,15.06 39.45,15.06 39.36,15 39.38,14.89 39.43,14.82 39.47,14.75 37.41,14.75 37.41,14.76 38.63,14.76 38.63,16 37.23,16 37.23,15.06 36.33,15.06 36.33,14.99 34.52,14.99 34.52,12.94 36.31,12.94 36.31,12.87 39.74,12.87 39.74,14.61 40.46,14.61 40.53,14.64 40.6,14.65 40.6,14.61 44.62,14.61 44.62,5.66 39.61,5.66 39.61,8.07 39.63,8.07 39.63,9.56 37.08,9.56 37.08,8.74 35.9,8.74 35.9,7.8 27.87,7.8 27.87,6.26 34.03,6.26 34.03,5.66 23.4,5.66 23.4,7.42 23.75,7.15 23.99,6.78 24.08,6.72 24.17,6.78 24.48,7.23 24.95,7.51 24.95,7.57 24.94,7.61 24.93,7.64 24.95,7.7 24.95,8.89 24.64,9.1 24.43,9.41 24.22,9.41 24.07,9.44 23.94,9.52 23.93,9.53 23.84,9.56 23.76,9.49 23.62,9.21 23.4,9 23.4,11.91 21.1,11.91 21.1,14.02 16.63,14.02 16.63,11.32 17.05,11.32 17.05,9.4 16.96,9.59 16.93,9.81 16.94,9.9 16.95,9.99 16.96,10.01 16.3,10.67 15.67,10.67 15.57,10.6 15.61,10.49 15.89,10.19 15.99,9.81 15.88,9.41 15.59,9.11 15.59,7.51 16.06,7.23 16.37,6.78 16.46,6.72 16.55,6.78 16.75,7.11 17.05,7.37 17.05,5.66 4.32,5.66 4.32,7.57 4.32,9.32 0.5,9.32 0.5,36.33 4.32,36.33 4.32,39.96 20.86,39.96 36.96,39.96 ; 37 cut-outs
VIO on TOP: 18.77,13.83 18.77,12.26 20.44,12.26 20.44,13.83
VIO on BOTTOM: 18.12,13.59 18.12,12.4 20.26,12.4 20.26,13.59
VIO_P on TOP: 15.18,13.61 15.18,12.4 16.34,12.4 16.34,13.61
VIO_P on BOTTOM: 17.12,13.72 17.11,11.91 13.52,11.91 13.52,13.71
VMODEM on TOP: 13.74,33.87 15.39,33.87 15.39,32.65 14.98,32.24 13.74,32.24
VMODEM on BOTTOM: 13.74,32.24 13.74,33.87 15.39,33.87 15.39,32.24
VMODEM_P on BOTTOM: 12.74,33.24 12.74,31.96 12.74,31.96 12.51,29.95 12.51,28.55 9.71,28.55 9.71,29.95 9.72,33.24 10.83,33.24 12.73,33.24

## Text on the board
BOTTOM: 20173047_V12
Ref Des/Silkscreen Bottom: 1.6 | ACTIVE | 3V3 | 1V8
Ref Des/Silkscreen Top: RX | AUX1 | TX | AUX2 | SDA | AUX3 | SCL | AUX4 | ATTN | AUXEN | RST | AUXRX | EN | AUXTX | V | <VUSB | GND | <VIO | NOTECARRIER-B
XSECTION_CHART: *  SURFACE - AIR 0 MM | L1 TOP CONDUCTOR - COPPER 0.018 MM | *  DIELECTRIC - FR-4 1.514 MM | L2 BOTTOM CONDUCTOR - COPPER 0.018 MM | DESIGN CROSS SECTION CHART | ___________________________ | TOTAL THICKNESS 1.55 MM | 1-2
PAGE_OUTLINE: Blues Inc
User.16: FIGURE | FINISHED SIZE | 0.254 | 0.3 | 1.0 | 3.7 | 1.1 | 1.6 | 3.3 | ALL UNITS ARE IN MILLIMETERS | TOLERANCE | +0.075/-0.0 | +0.05/-0.05 | +0.1/-0.1 | TYPE | PLATED | NON-PLATED | QTY | 189 | 25 | 19 | 1 | 4 | DRILL CHART: TOP to BOTTOM
User.18: TP21 | TP16 | TP23 | TP13 | TP11 | TP22 | TP24 | TP18 | TP15 | TP14 | TP17 | TP25 | TP8 | TP26 | TP10 | TP39 | TP20 | TP38 | TP9 | TP12 | TP19 | TP28 | TP1 | TP29 | TP2 | TP3 | TP30 | TP31 | TP7 | TP4 | TP32 | TP5 | TP33 | TP6 | TP34 | TP35
User.31: NOTES: | 2) Scale 1:1 | 1) All Dimensions are in millimeters
